# Altium PCB HV_Module_6W.PCBDOC (part 1 of 4)
Units mm, origin at the board's own origin, x right, y up, seen from the top; angles counter-clockwise.
Board outline 148 x 86 mm, 4 copper layers (Top, L2, L3, Bot), stack 1.6 mm thick; 457 components, 280 nets, 1264 pads, 439 vias.
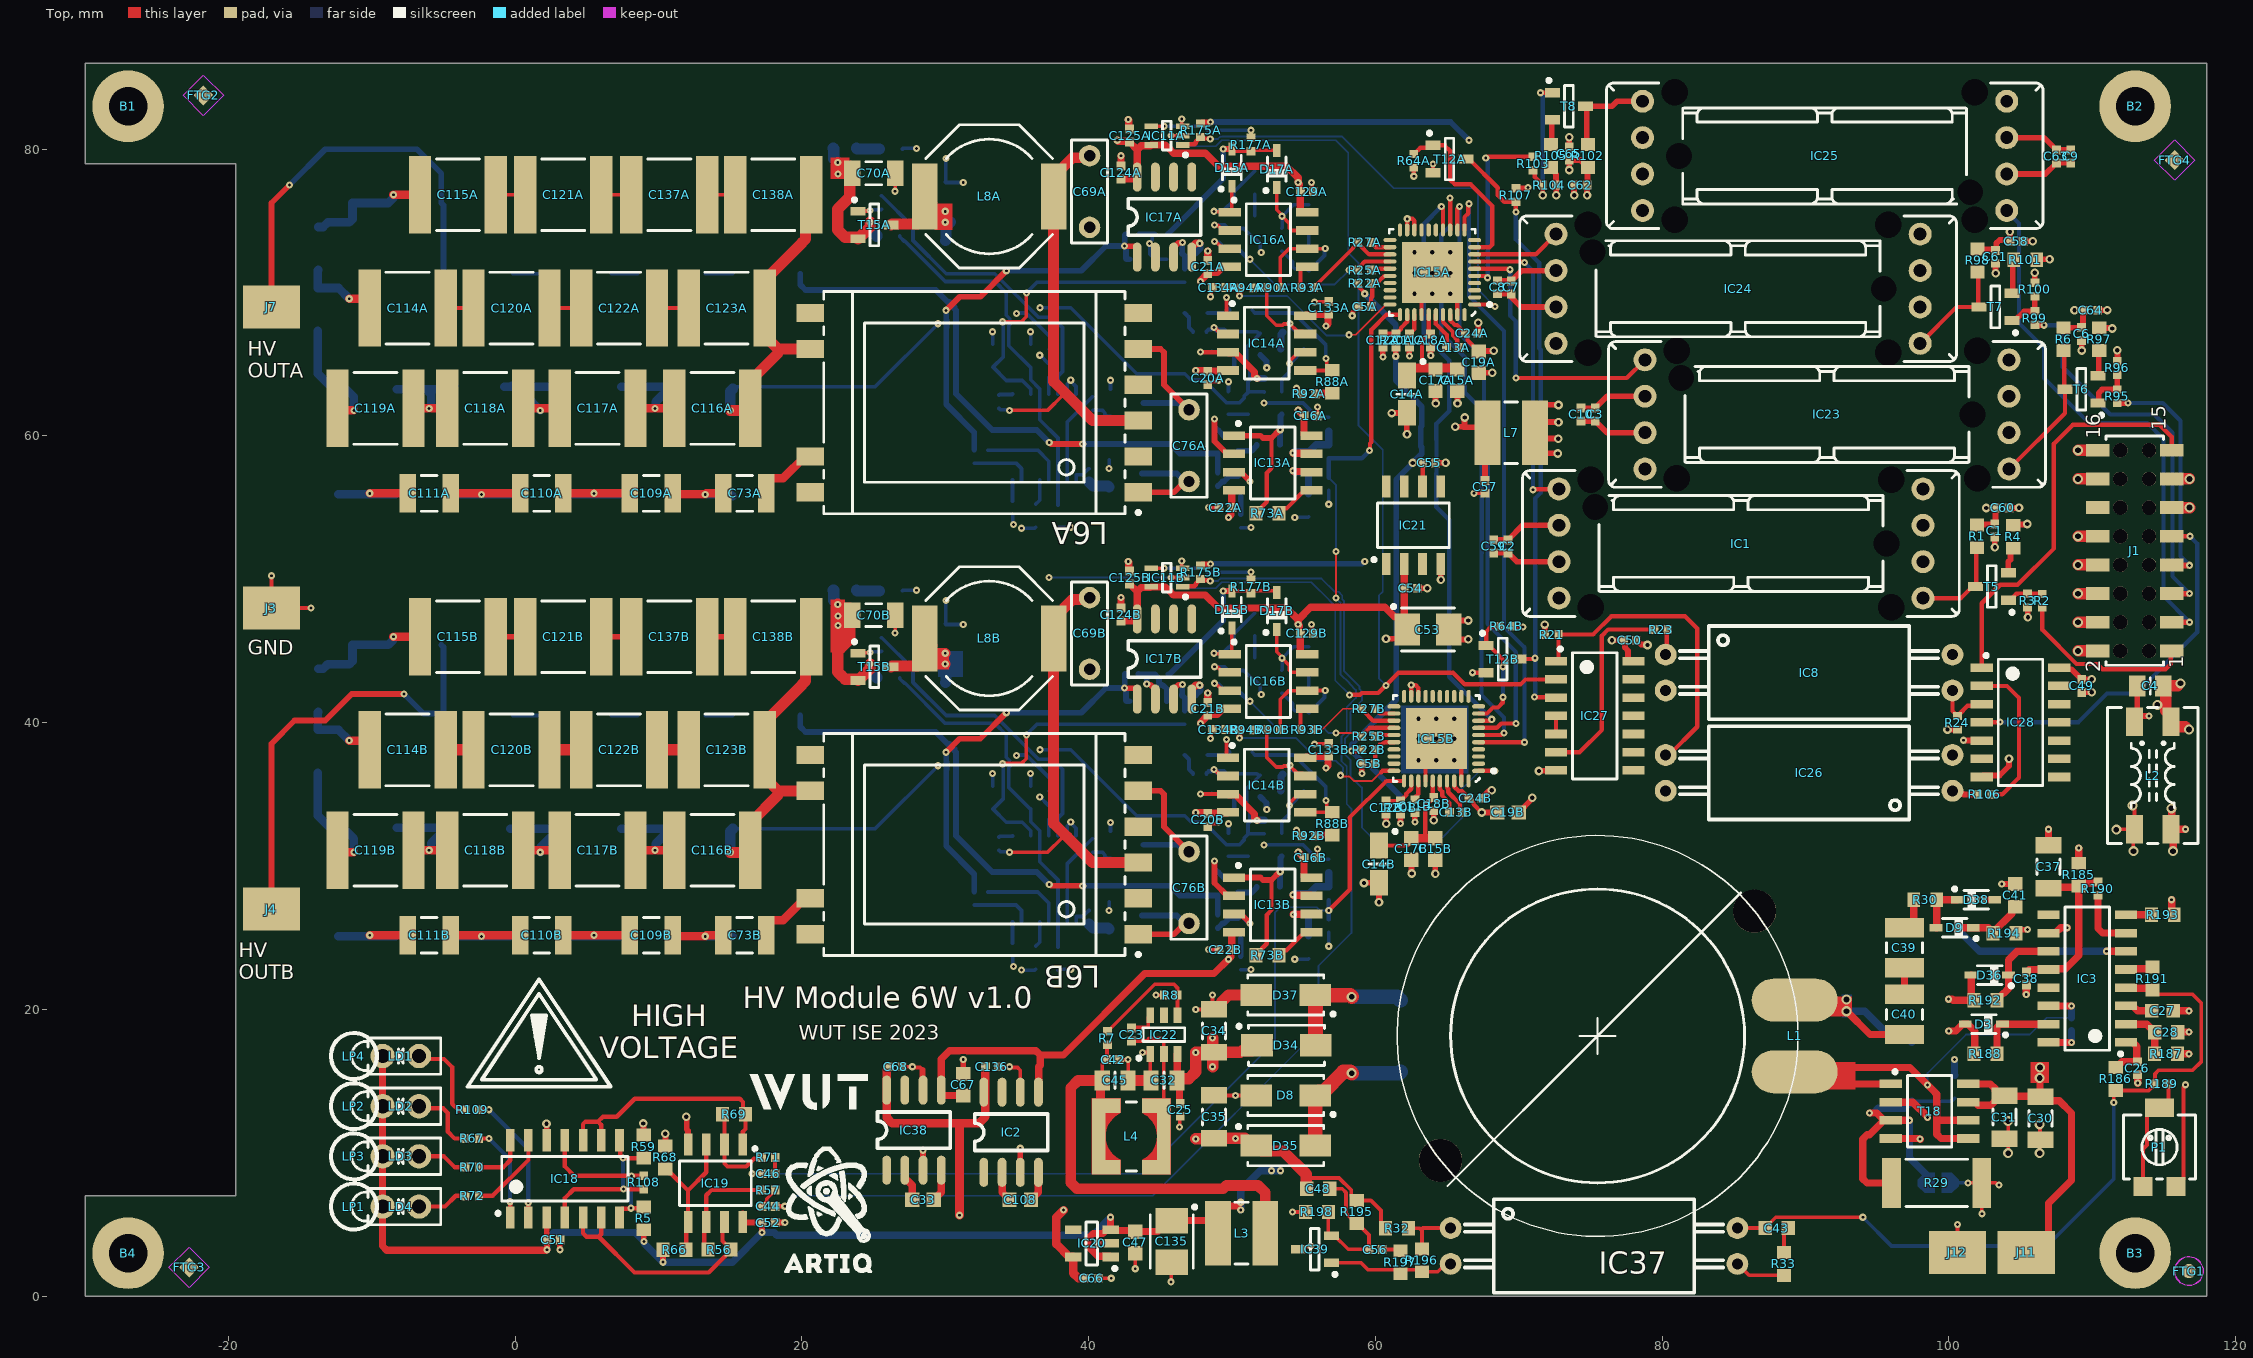
[diagram p0: Top view]
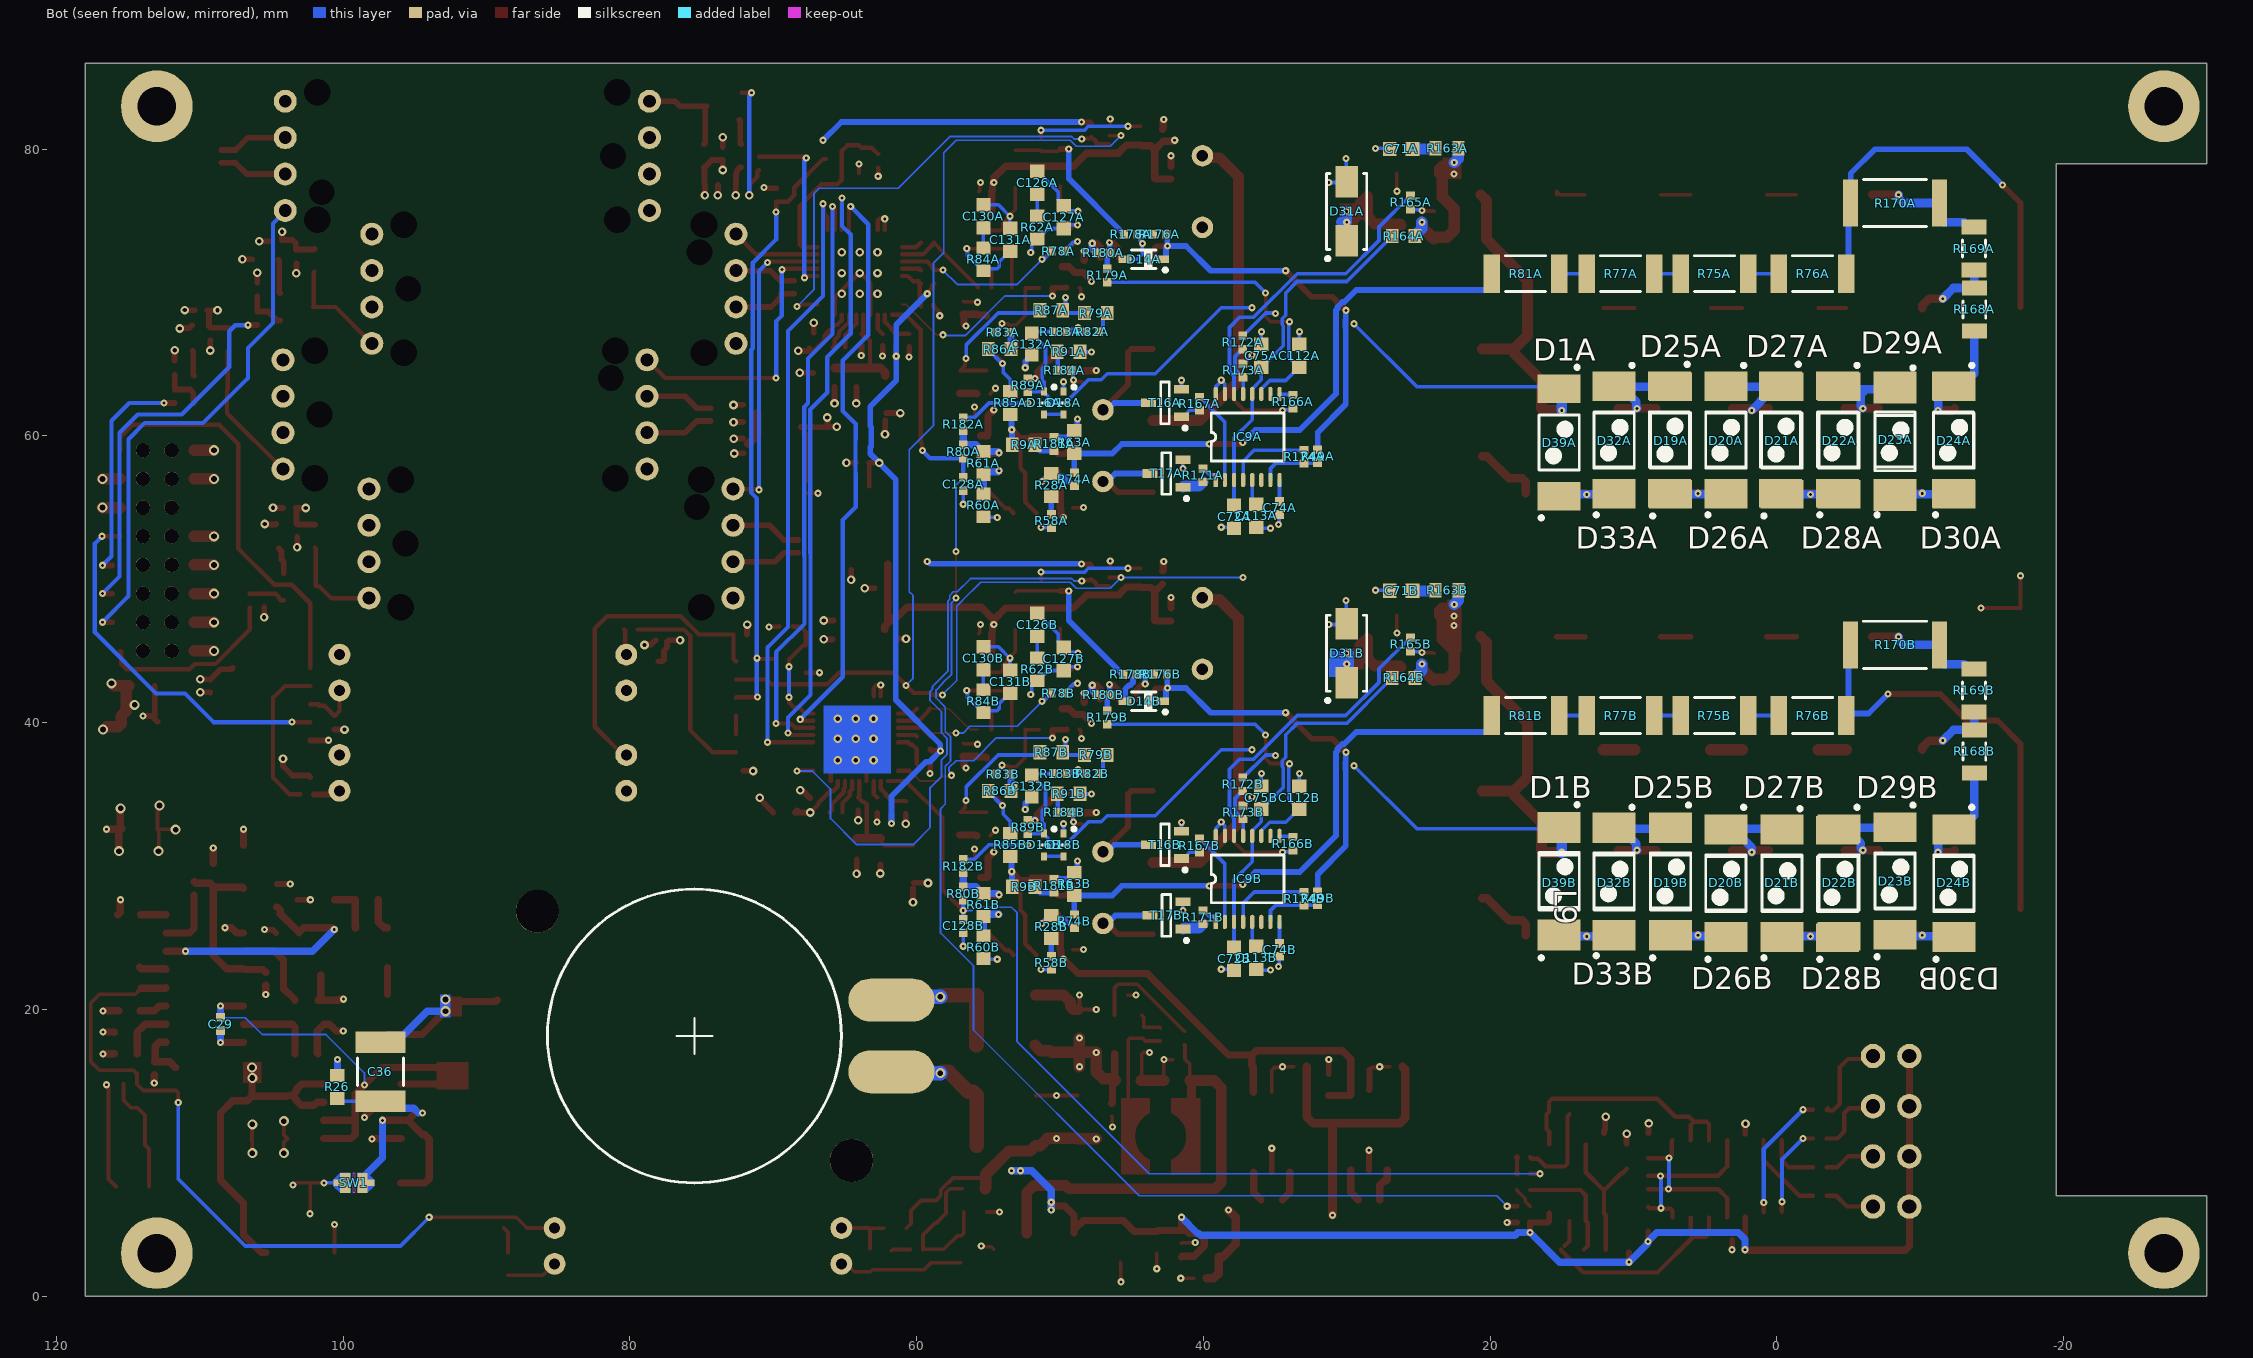
[diagram p1: Bot view, seen from below]
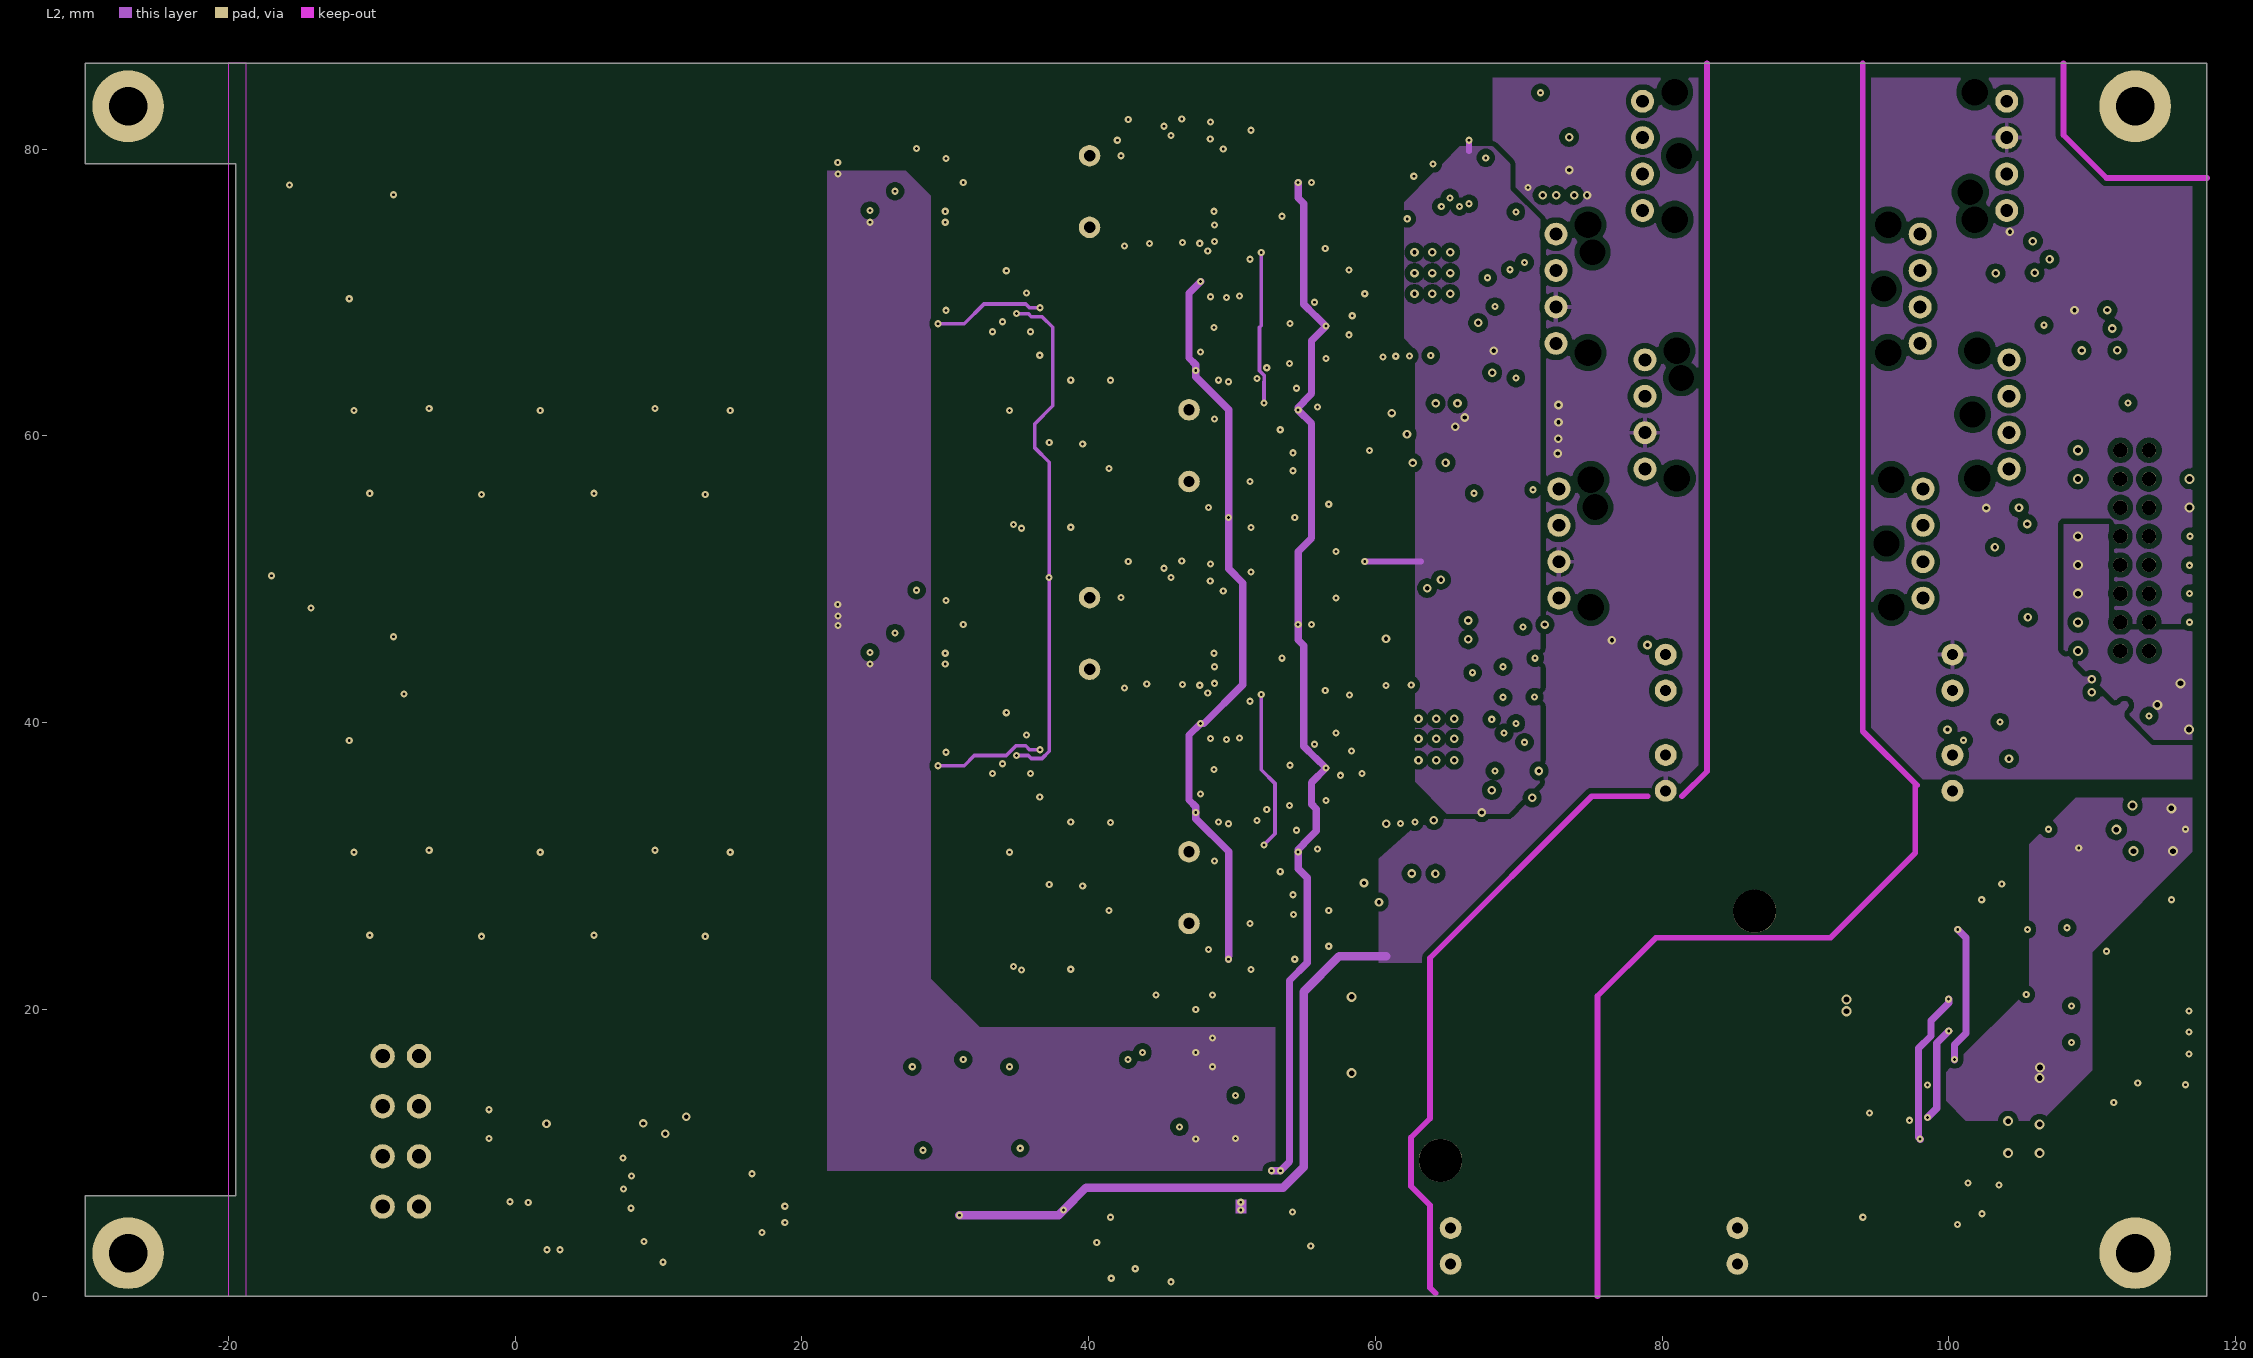
[diagram p2: L2]
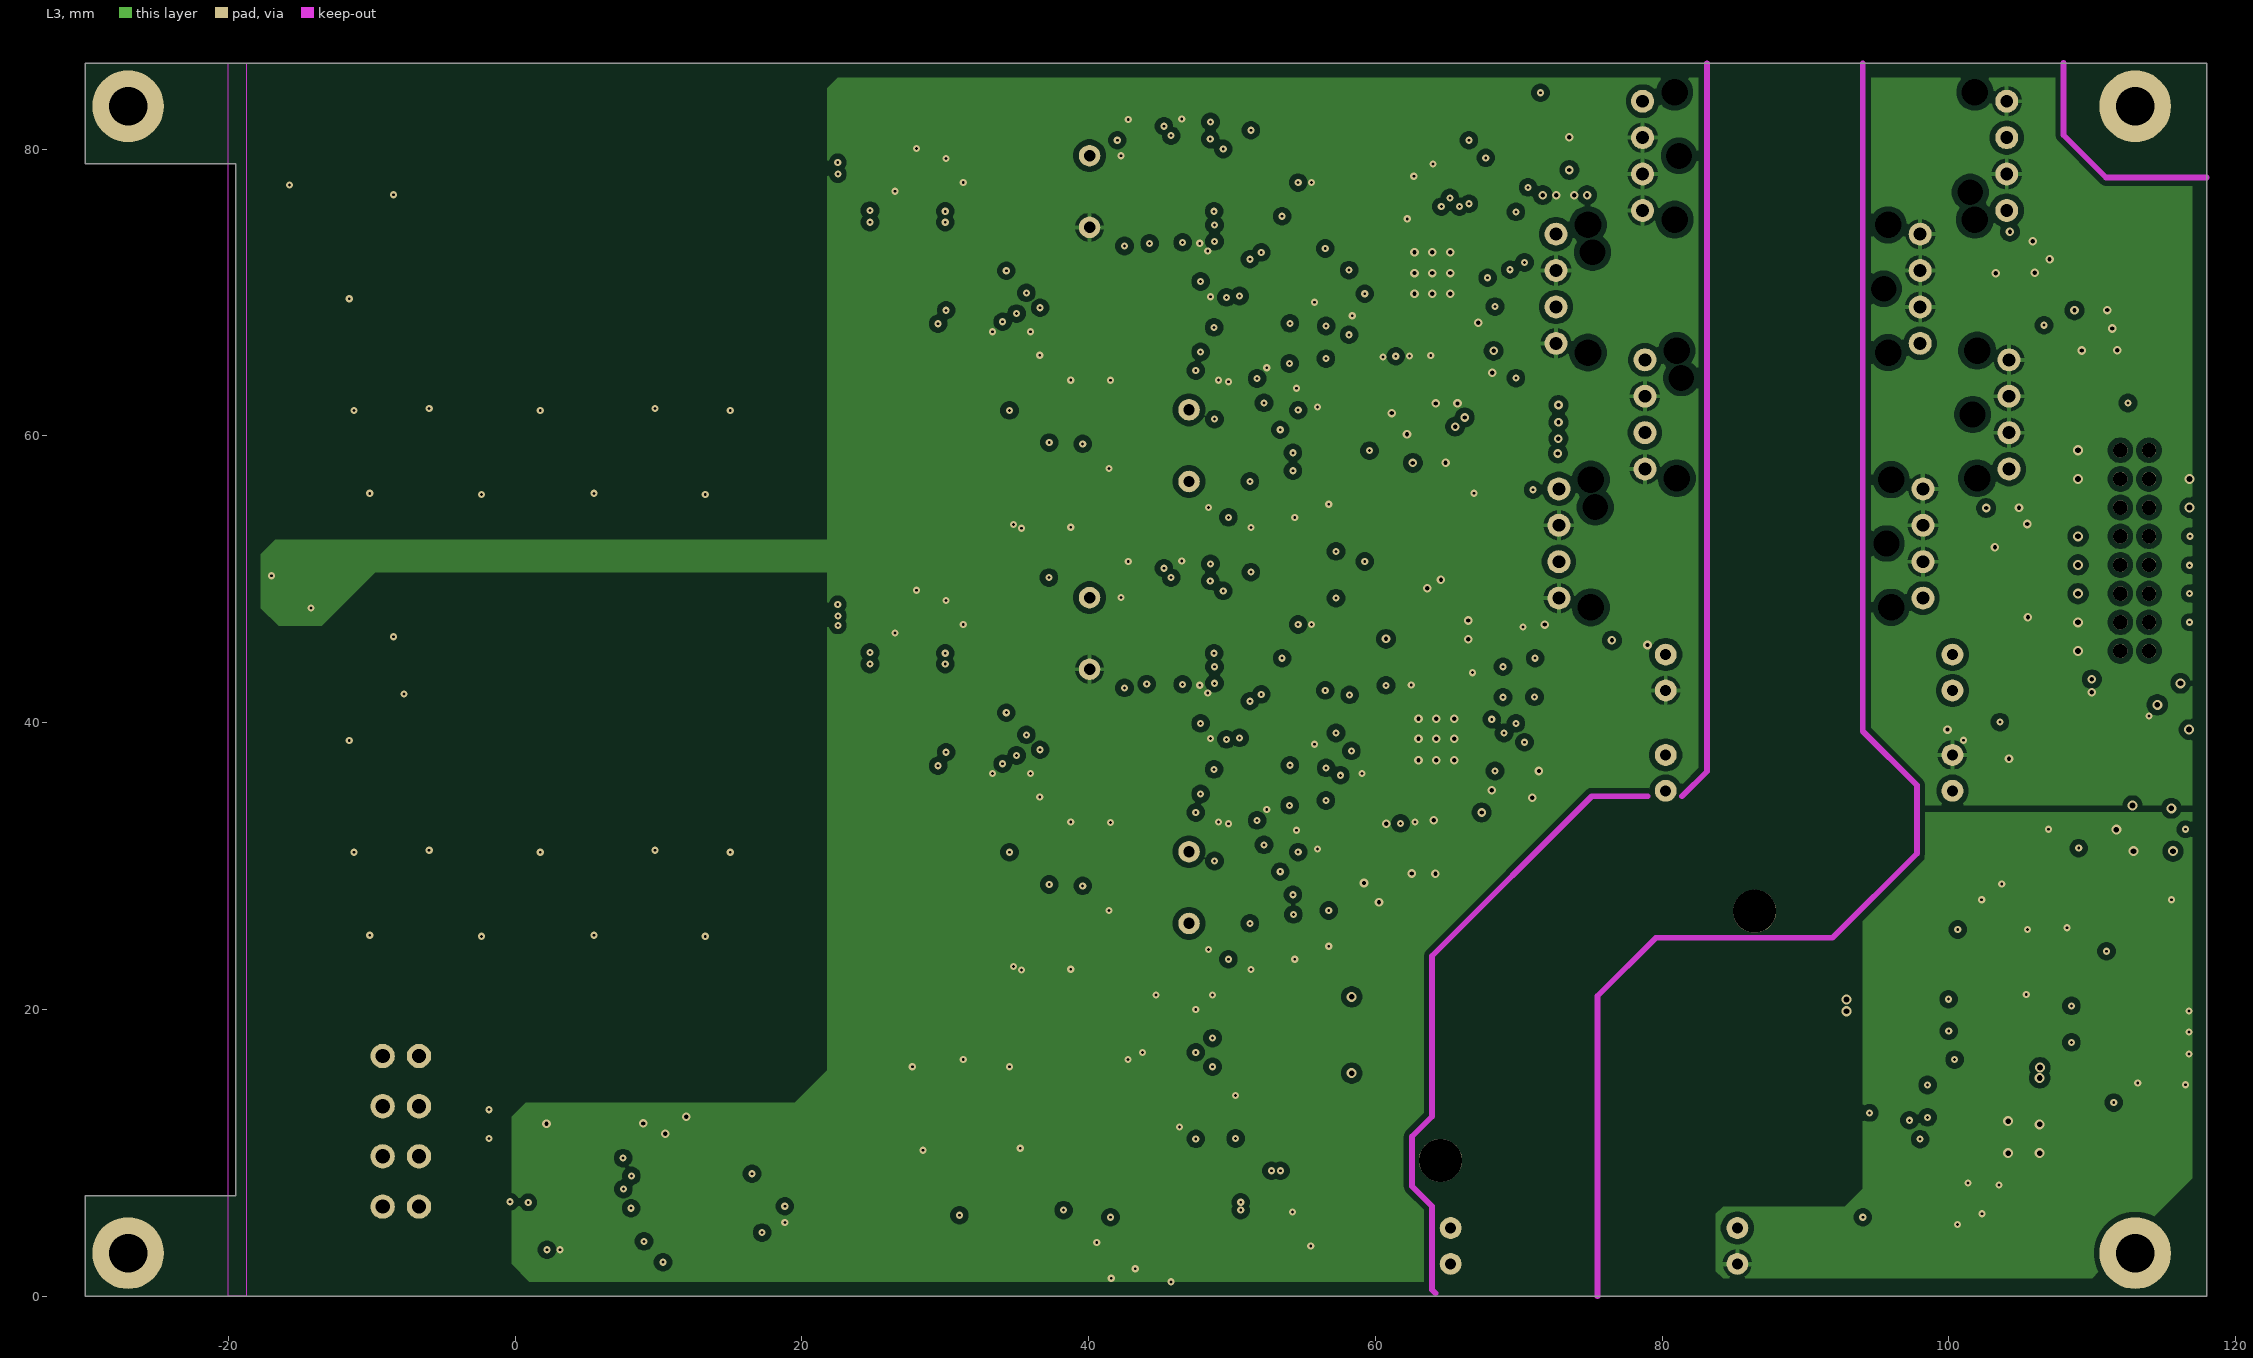
[diagram p3: L3]
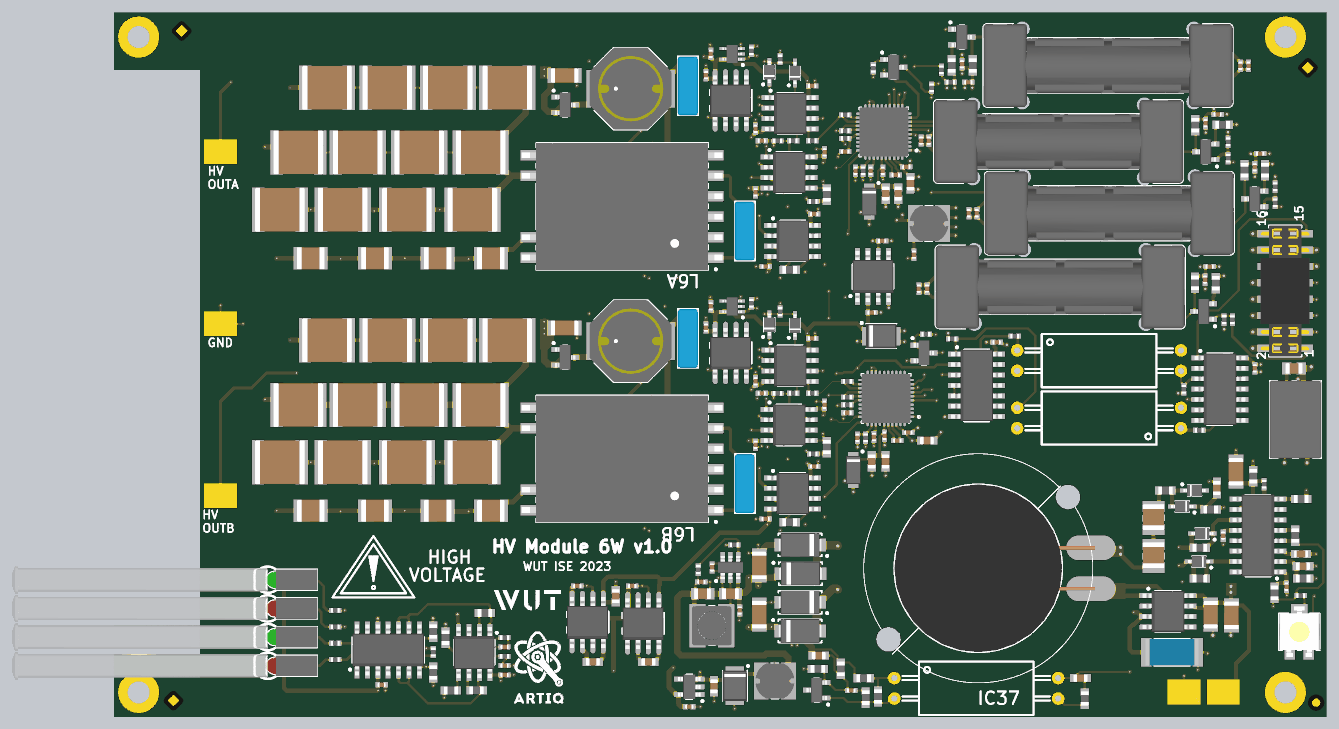
[diagram p7: 3D render of the assembled board from above, using the file's embedded part models]
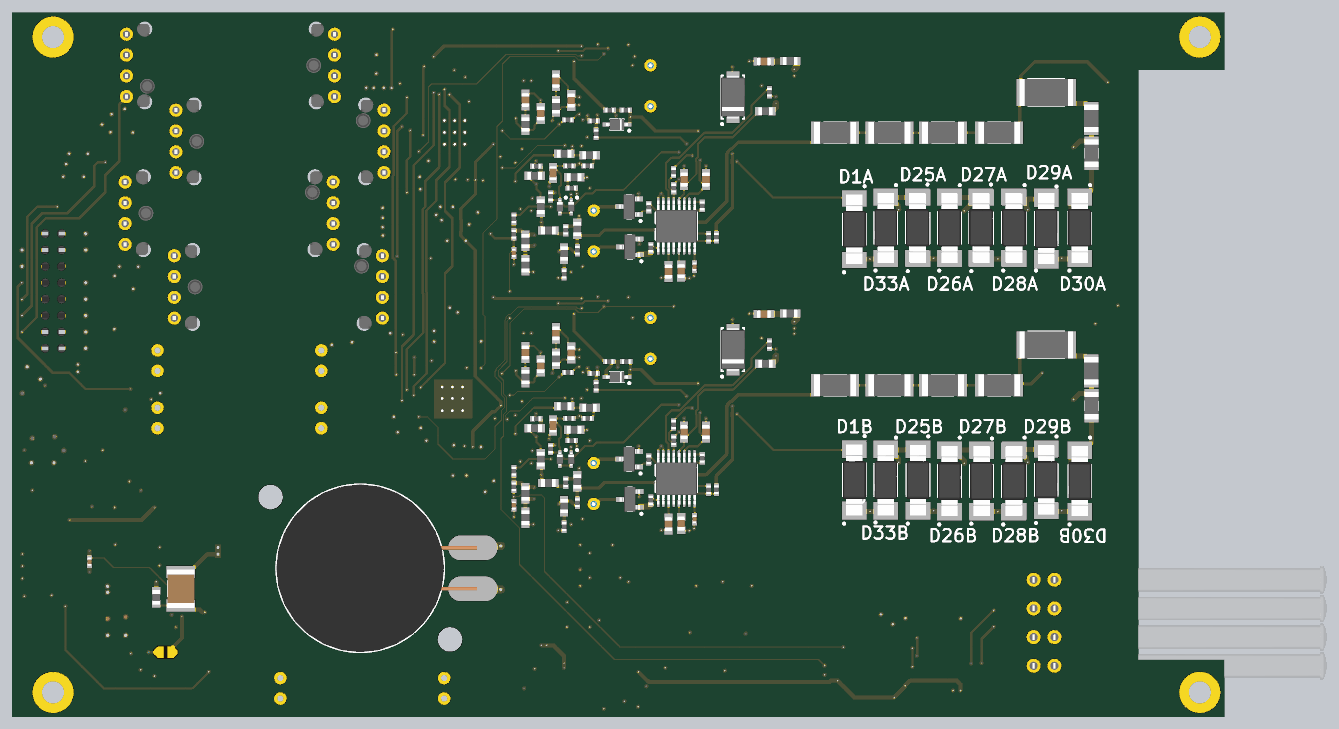
[diagram p8: 3D render of the assembled board from below, using the file's embedded part models]

## Layer stack, top to bottom
TopSolder: solder mask 0.0102, Solder Resist, Dk 3.5
Top: signal copper 0.035
Dielectric1: core 0.18, FR-4, Dk 4.2
L2: signal copper 0.035
Dielectric 3: prepreg 1.1, FR-4, Dk 4.2
L3: signal copper 0.035
Dielectric2: core 0.18, FR-4, Dk 4.2
Bot: signal copper 0.035
BottomSolder: solder mask 0.0102, Solder Resist, Dk 3.5

## Board outline
-30,0 -30,7 -19.5,7 -19.5,79 -30,79 -30,86 118,86 118,0 116,0

## Design rules (kind name [scope] priority, off if disabled: settings)
AcuteAngle [All] p1: minimum=6.00000000000000E+0001 checktracksonly=FALSE
BoardOutlineClearance [not (OnLayer('TopOverlay')  or  OnLayer('BottomOverlay') )] p1: gap=0.254 ignorepadtopadclearanceinfootprint=FALSE except(0: Arc-SplitContinuation Track-SplitContinuation SMDPad-SplitContinuation THPad-SplitContinuation Via-SplitContinuation Fill-SplitContinuation Poly-SplitContinuation Region-SplitContinuation Text-SplitContinuation; 1: Poly-OutlineEdge Poly-CutoutEdge)
Clearance Clearance_HV [InNetClass('HV') vs not InNetClass('HV')] p1: gap=1 ignorepadtopadclearanceinfootprint=FALSE
Clearance Clearance_balancing [InNamedPolygon('balancing')            or InNamedPolygon('balancing_top')] p2: gap=0.3 ignorepadtopadclearanceinfootprint=FALSE
Clearance Clearance_DIFF [(InDifferentialPairClass('All Differential Pairs'))] p3: gap=0.127 ignorepadtopadclearanceinfootprint=FALSE except(0: Arc-Hole Track-Hole SMDPad-Hole THPad-Hole Via-Hole Fill-Hole Poly-Hole Region-Hole Text-Hole; 0.254: Arc-Poly Track-Poly SMDPad-Poly THPad-Poly Via-Poly Fill-Poly Poly-Poly Poly-Region Poly-Text)
Clearance [All] p4: gap=0.127 ignorepadtopadclearanceinfootprint=FALSE except(0: Arc-Hole Track-Hole SMDPad-Hole THPad-Hole Via-Hole Fill-Hole Poly-Hole Region-Hole Text-Hole; 0.381: Arc-Poly Track-Poly SMDPad-Poly THPad-Poly Via-Poly Fill-Poly Poly-Poly)
ComponentClearance [All] p1 off: gap=0.254 collisioncheckmode=3 verticalgap=0.254 showdistances=FALSE
DiffPairsRouting [All] p1: maxlimit=0.178 minlimit=0.152 mostfreqgap=0.152 toplayer_minwidth=0.127 toplayer_maxwidth=0.152 toplayer_prefwidth=0.152 midlayer1_minwidth=0.127 midlayer1_maxwidth=0.152 midlayer1_prefwidth=0.152 midlayer2_minwidth=0.127 midlayer2_maxwidth=0.152 midlayer2_prefwidth=0.152 bottomlayer_minwidth=0.127 bottomlayer_maxwidth=0.152 bottomlayer_prefwidth=0.152 maxuncoupledlength=12.7
FabricationTestPointUsage TestPointUsage [All] p1: valid=0 allowmultiple=FALSE
FabricationTestpoint Testpoint [All] p1: side=3 testpointundercomponent=TRUE minsize=1.016 maxsize=2.54 preferedsize=1.524 minholesize=0.508 maxholesize=1.016 preferedholesize=0.813 testpointgrid=0.025 allowsidetop=TRUE allowsidebottom=TRUE usegrid=TRUE gridtolerance=0
Height [All] p1 off: minheight=0 maxheight=25.4 prefheight=12.7
HoleSize [All] p1: absolutevalues=TRUE maxlimit=3.81 minlimit=0.025 maxpercent=80.000 minpercent=20.000
HoleToHoleClearance [All] p1: gap=0.025 allowstackedmicrovias=TRUE
MinimumSolderMaskSliver [All] p1: minsoldermaskwidth=0
PlaneClearance PlaneClearance_HV [InNetClass('HV')] p1: clearance=1
PlaneClearance [All] p2: clearance=0.254
PlaneConnect [All] p1: planeconnectstyle=Direct reliefexpansion=0.508 reliefentries=4 reliefconductorwidth=0.254 reliefairgap=0.254
PolygonConnect [All] p1: thpad.connectstyle=Relief thpad.reliefconductorwidth=0.3 thpad.reliefentries=4 thpad.polygonreliefangle="90 Angle" thpad.airgapwidth=0.254 smdpad.connectstyle=Relief smdpad.reliefconductorwidth=0.3 smdpad.reliefentries=4 smdpad.polygonreliefangle="90 Angle" smdpad.airgapwidth=0.254 via.connectstyle=Direct via.reliefconductorwidth=0.254 via.reliefentries=4 via.polygonreliefangle="45 Angle" via.airgapwidth=0.254
RoomDefinition U_HV_PWR_STAGE2 [InComponentClass('U_HV_PWR_STAGE2')] p1: confinementstyle=ConfineIn formatcopy=TRUE lockcomponents=FALSE outline 57.75,52 -15,52 -15,21.925 57.75,21.925
RoomDefinition U_HV_PWR_STAGE1 [InComponentClass('U_HV_PWR_STAGE1')] p2: confinementstyle=ConfineIn formatcopy=TRUE lockcomponents=FALSE outline 57.75,82.825 -15,82.825 -15,52.75 57.75,52.75
RoomDefinition U_ADC_DAC2 [InComponentClass('U_ADC_DAC2')] p3: confinementstyle=ConfineIn formatcopy=TRUE lockcomponents=FALSE outline 72.25,27.175 57.575,27.175 57.575,48.325 72.25,48.325
RoomDefinition U_Supply_12V_ISOL [InComponentClass('U_Supply_12V_ISOL')] p4: confinementstyle=ConfineIn formatcopy=TRUE lockcomponents=FALSE outline 16.225,-144.7 67.025,-144.7 67.025,-119.3 16.225,-119.3
RoomDefinition U_LED_indicators [InComponentClass('U_LED_indicators')] p5: confinementstyle=ConfineIn formatcopy=TRUE lockcomponents=FALSE outline 19.775,20.675 -20,20.675 -20,1.375 19.775,1.375
RoomDefinition U_Isolators [InComponentClass('U_Isolators')] p6: confinementstyle=ConfineIn formatcopy=TRUE lockcomponents=FALSE outline 69.588,29.61 118.1,29.61 118.1,86.05 69.588,86.05
RoomDefinition U_ADC_DAC1 [InComponentClass('U_ADC_DAC1')] p7: confinementstyle=ConfineIn formatcopy=TRUE lockcomponents=FALSE outline 57.825,59.72 82,59.72 82,85.725 57.825,85.725
RoomDefinition HV_Module_6W [InComponentClass('HV_Module_6W')] p8: confinementstyle=ConfineIn formatcopy=TRUE lockcomponents=FALSE outline 84.45,-19.7 113.25,-19.7 113.25,-2.75 84.45,-2.75
RoutingVias [All] p1: holewidth=0.2 width=0.5 viastyle="Through Hole" minholewidth=0.2 minwidth=0.5 maxholewidth=0.711 maxwidth=1.27
SilkToSilkClearance [All] p1: silktosilkclearance=0
SilkToSolderMaskClearance SilkscreenOverComponentPads [IsPad] p1: minsilkscreentomaskgap=0 clearancetoexposedcopper=TRUE
SolderMaskExpansion [All] p1: expansion=0.051 istentingtop=FALSE
Width Z50R [InNetClass('SPI')] p1: maxlimit=0.3 minlimit=0.3 preferedwidth=0.3
Width [All] p2: maxlimit=1.27 minlimit=0.127 preferedwidth=0.127
18 further rules are at their usual default settings.

## Classes and differential pairs
channel class HV_PWR_STAGE_6W: U_HV_PWR_STAGE1 U_HV_PWR_STAGE2
channel class ADC_DAC_6W: U_ADC_DAC1 U_ADC_DAC2
component class U_LED_indicators: C44 C46 C51 C52 IC18 IC19 LD1 LD2 LD3 LD4 LP1 LP2 LP3 LP4 R5 R56 R57 R59 R66 R67 R68 R69 R70 R71 R72 R108 R109
component class U_HV_PWR_STAGE1: C16A C20A C21A C22A C69A C70A C71A C72A C73A C74A C75A C76A C109A C110A C111A C112A C113A C114A C115A C116A C117A C118A C119A C120A C121A C122A C123A C124A C125A C126A C127A C128A C129A C130A C131A C132A C133A C134A C137A C138A D1A D14A D15A D16A D17A D18A D19A D20A D21A D22A D23A D24A D25A D26A D27A D28A D29A D30A D31A D32A D33A D39A IC9A IC11A IC13A IC14A IC16A IC17A L6A L8A R9A R28A R49A R58A R60A R61A R62A R63A R73A R74A R75A R76A R77A R78A R79A R80A R81A R82A R83A R84A R85A R86A R87A R88A R89A R90A R91A R92A R93A R94A R163A R164A R165A R166A R167A R168A R169A R170A R171A R172A R173A R174A R175A R176A R177A R178A R179A R180A R181A R182A R183A R184A T15A T16A T17A
component class U_ADC_DAC2: C5B C11B C12B C13B C14B C15B C17B C18B C19B C24B IC15B R20B R22B R25B R27B R64B T12B
component class U_ADC_DAC1: C5A C11A C12A C13A C14A C15A C17A C18A C19A C24A IC15A R20A R22A R25A R27A R64A T12A
component class U_Supply_12V_ISOL: C4 C23 C25 C26 C27 C28 C29 C30 C31 C32 C33 C34 C35 C36 C37 C38 C39 C40 C41 C42 C43 C45 C47 C48 C56 C57 C66 C67 C68 C108 C135 C136 D3 D8 D9 D34 D35 D36 D37 D38 IC2 IC3 IC20 IC22 IC37 IC38 IC39 J11 J12 L1 L2 L3 L4 L7 L9 P1 R7 R8 R26 R29 R30 R32 R33 R185 R186 R187 R188 R189 R190 R191 R192 R193 R194 R195 R196 R197 R198 SW1 T18
component class U_Isolators: C1 C2 C3 C6 C7 C8 C9 C10 C49 C50 C58 C59 C60 C61 C62 C63 C64 C65 IC1 IC8 IC23 IC24 IC25 IC26 IC27 IC28 R1 R2 R3 R4 R6 R21 R23 R24 R95 R96 R97 R98 R99 R100 R101 R102 R103 R104 R105 R106 R107 T5 T6 T7 T8
component class U_HV_PWR_STAGE2: C16B C20B C21B C22B C69B C70B C71B C72B C73B C74B C75B C76B C109B C110B C111B C112B C113B C114B C115B C116B C117B C118B C119B C120B C121B C122B C123B C124B C125B C126B C127B C128B C129B C130B C131B C132B C133B C134B C137B C138B D1B D14B D15B D16B D17B D18B D19B D20B D21B D22B D23B D24B D25B D26B D27B D28B D29B D30B D31B D32B D33B D39B IC9B IC11B IC13B IC14B IC16B IC17B L6B L8B R9B R28B R49B R58B R60B R61B R62B R63B R73B R74B R75B R76B R77B R78B R79B R80B R81B R82B R83B R84B R85B R86B R87B R88B R89B R90B R91B R92B R93B R94B R163B R164B R165B R166B R167B R168B R169B R170B R171B R172B R173B R174B R175B R176B R177B R178B R179B R180B R181B R182B R183B R184B T15B T16B T17B
component class HV_Module_6W: B1 B2 B3 B4 C53 C54 C55 FTG1 FTG2 FTG3 FTG4 IC21 J1 J3 J4 J7
